# KiCad board PicoDeck.kicad_pcb
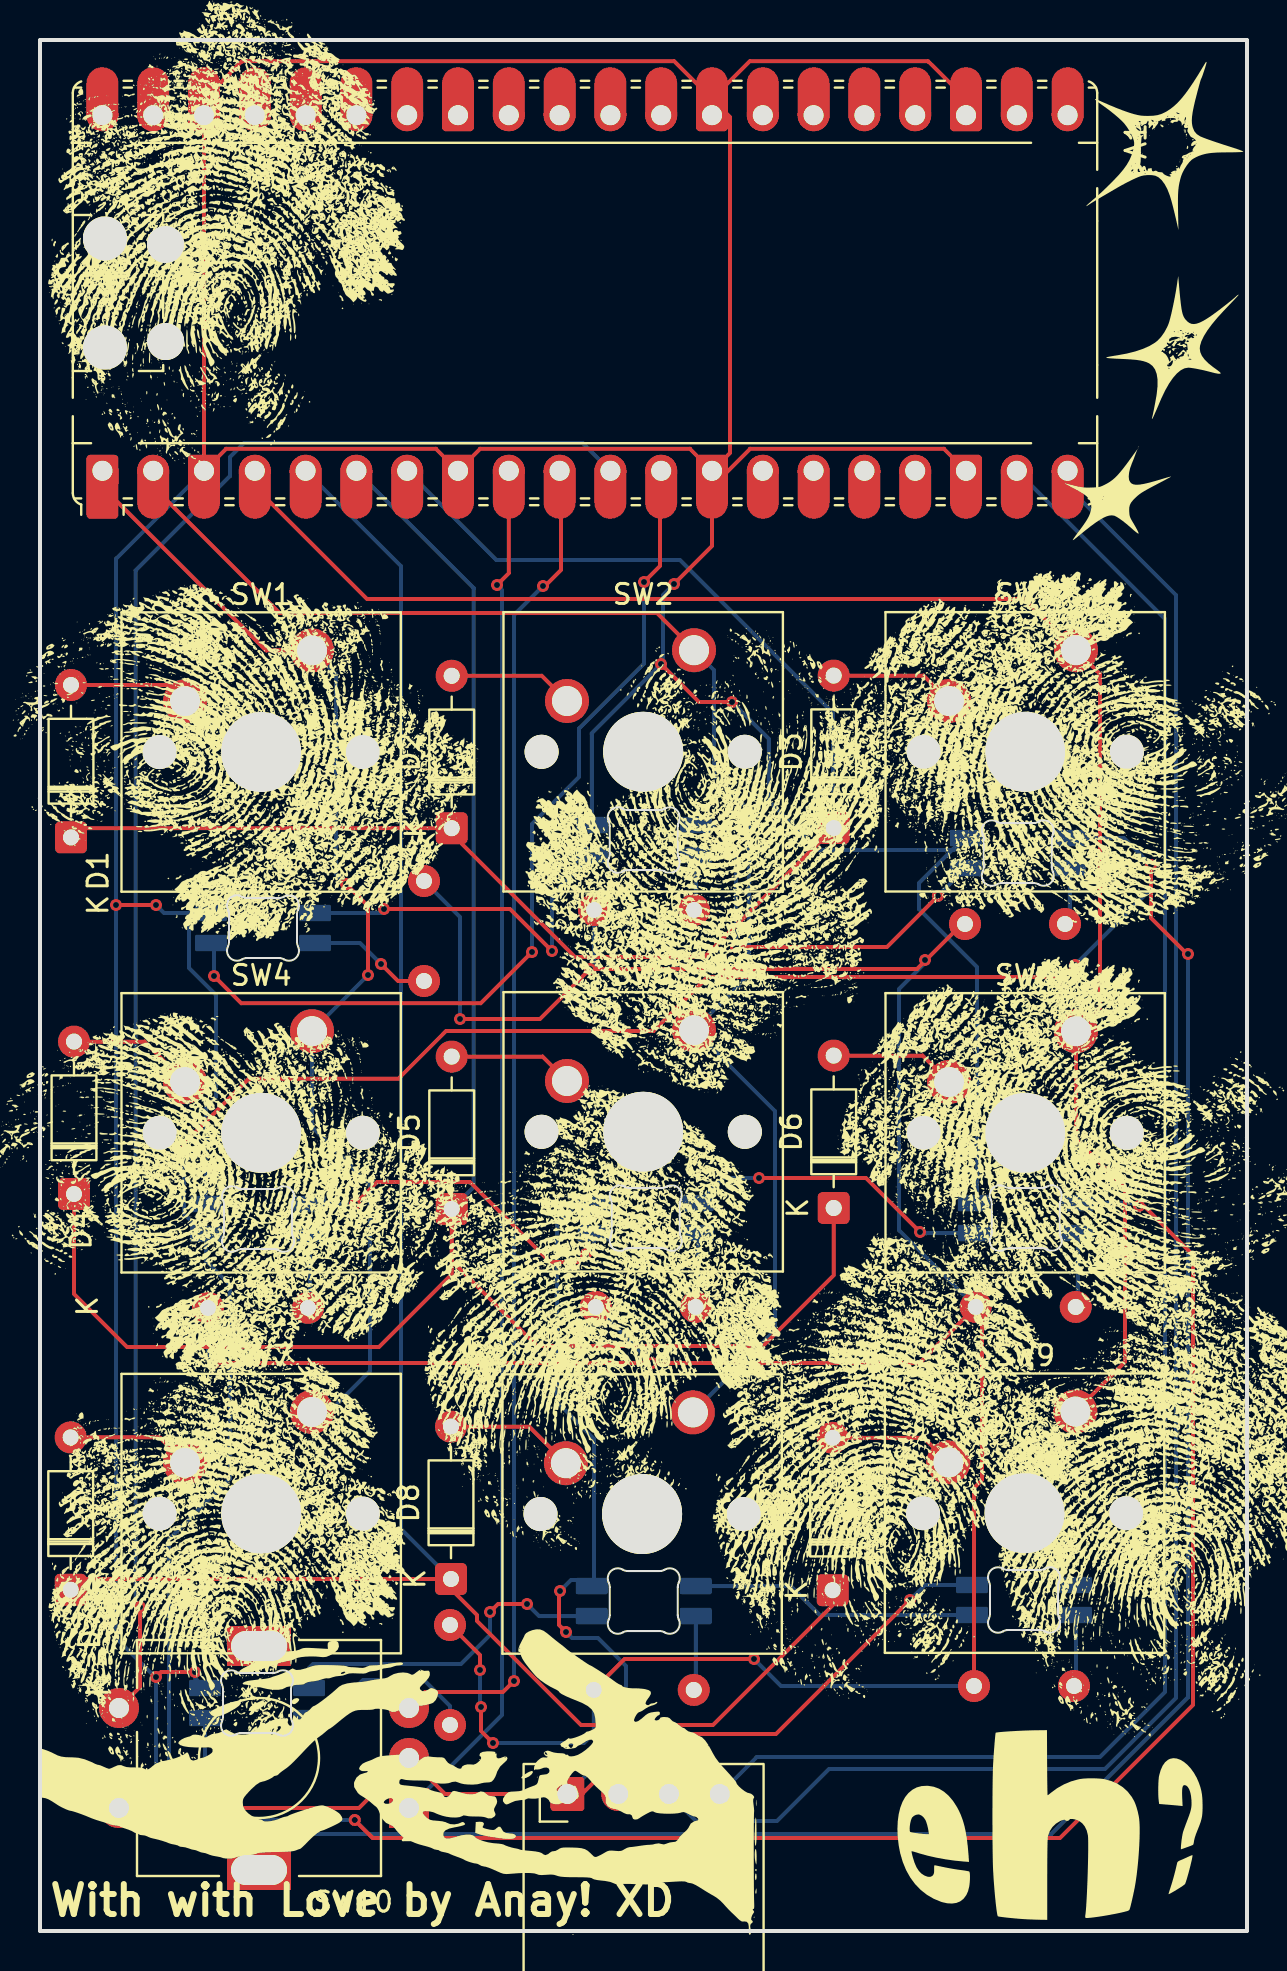
[diagram p0: board, top side]
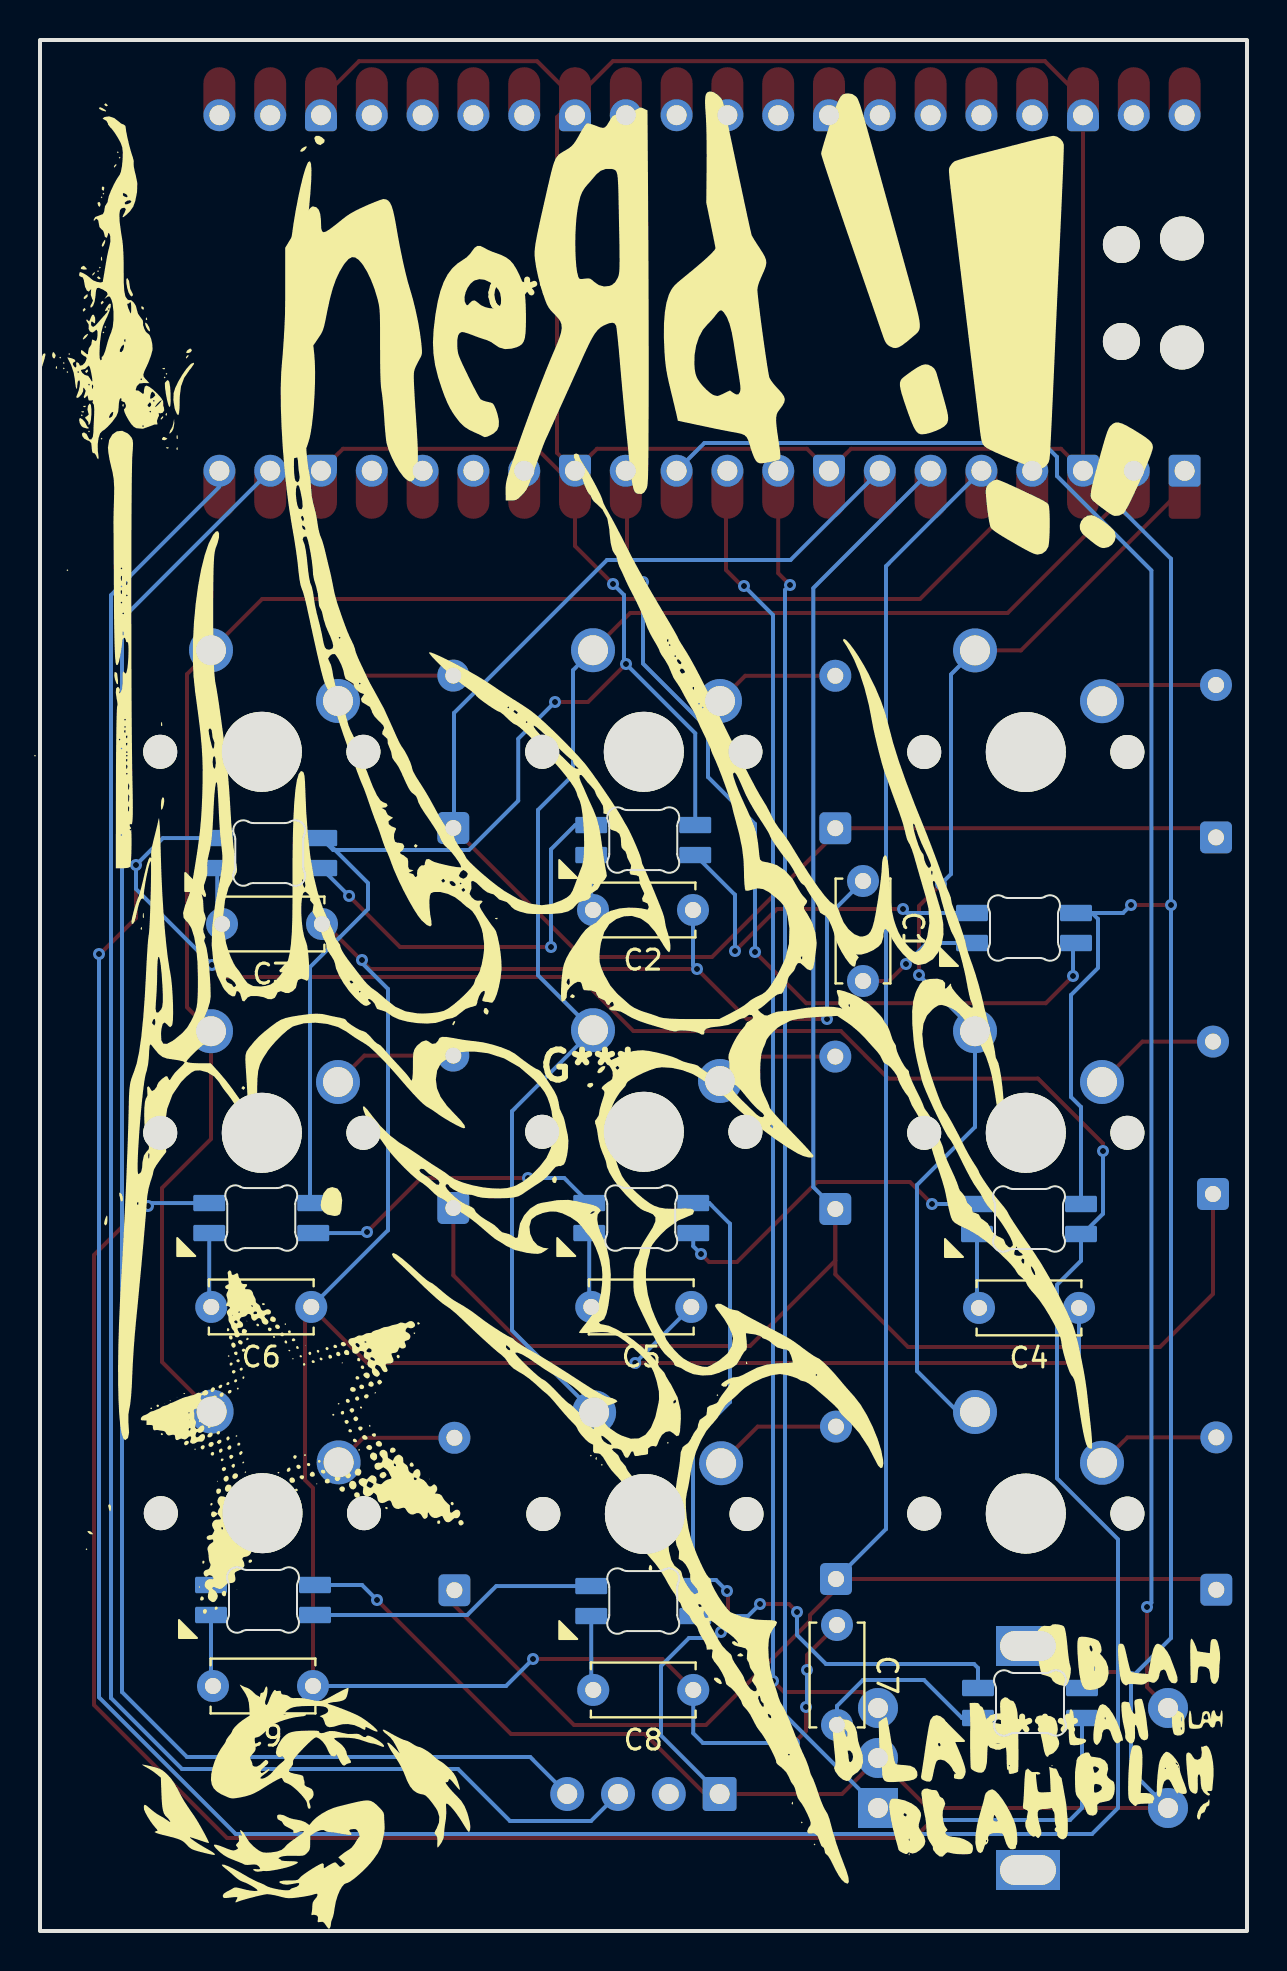
[diagram p1: board, bottom side, seen from below]

Outline 60.35 x 94.55 mm; copper layers: Top, Bottom. Coordinates in mm from the lower left corner of the outline.
Outline path: rectangle 0,94.55 60.35,0

## Placement (name value [footprint] x y rotation side)
A1  RaspberryPi_Pico  [RaspberryPi_Pico_Common_Unspecified]  27.25 81.9 90 top
C1  C_Small  [C_Disc_D5.0mm_W2.5mm_P5.00mm]  19.2 52.5 270 bottom
C2  C_Small  [C_Disc_D5.0mm_W2.5mm_P5.00mm]  27.7 51.05 0 bottom
C3  C_Small  [C_Disc_D5.0mm_W2.5mm_P5.00mm]  46.25 50.35 0 bottom
C4  C_Small  [C_Disc_D5.0mm_W2.5mm_P5.00mm]  8.4 31.15 0 bottom
C5  C_Small  [C_Disc_D5.0mm_W2.5mm_P5.00mm]  27.79 31.2 0 bottom
C6  C_Small  [C_Disc_D5.0mm_W2.5mm_P5.00mm]  46.79 31.2 0 bottom
C7  C_Small  [C_Disc_D5.0mm_W2.5mm_P5.00mm]  20.5 15.3 270 bottom
C8  C_Small  [C_Disc_D5.0mm_W2.5mm_P5.00mm]  27.69 12.05 0 bottom
C9  C_Small  [C_Disc_D5.0mm_W2.5mm_P5.00mm]  46.7 12.25 0 bottom
D1  1N4148  [D_DO-35_SOD27_P7.62mm_Horizontal]  1.55 54.68 90 top
D2  1N4148  [D_DO-35_SOD27_P7.62mm_Horizontal]  20.58 55.14 90 top
D3  1N4148  [D_DO-35_SOD27_P7.62mm_Horizontal]  39.69 55.15 90 top
D4  1N4148  [D_DO-35_SOD27_P7.62mm_Horizontal]  1.7 36.85 90 top
D5  1N4148  [D_DO-35_SOD27_P7.62mm_Horizontal]  20.58 36.1 90 top
D6  1N4148  [D_DO-35_SOD27_P7.62mm_Horizontal]  39.69 36.15 90 top
D7  1N4148  [D_DO-35_SOD27_P7.62mm_Horizontal]  1.53 17.06 90 top
D8  1N4148  [D_DO-35_SOD27_P7.62mm_Horizontal]  20.55 17.6 90 top
D9  1N4148  [D_DO-35_SOD27_P7.62mm_Horizontal]  39.63 17.04 90 top
D10  SK6812MINI-E  [MX_SK6812MINI-E]  11.15 55.23 0 top
D11  SK6812MINI-E  [MX_SK6812MINI-E]  30.19 59.63 0 top
D12  SK6812MINI-E  [MX_SK6812MINI-E]  48.89 58.98 0 top
D13  SK6812MINI-E  [MX_SK6812MINI-E]  10.9 40.68 0 top
D14  SK6812MINI-E  [MX_SK6812MINI-E]  30.29 40.73 0 top
D15  SK6812MINI-E  [MX_SK6812MINI-E]  49.29 40.73 0 top
D16  SK6812MINI-E  [MX_SK6812MINI-E]  10.85 16.48 0 top
D17  SK6812MINI-E  [MX_SK6812MINI-E]  30.19 21.58 0 top
D18  SK6812MINI-E  [MX_SK6812MINI-E]  49.2 21.63 0 top
G***  -  [LOGO]  9.65 58.4 270 top
G***#2  -  [LOGO]  9.35 84.36 0 top
G***#3  -  [LOGO]  51.72 59.11 90 top
G***#4  -  [LOGO]  28.17 30.02 0 top
G***#5  -  [LOGO]  50.39 5.48 0 top
G***#6  -  [LOGO]  55.44 82.07 180 top
G***#7  -  [LOGO]  52.13 39.82 90 top
G***#8  -  [LOGO]  42.58 22.62 0 top
G***#9  -  [LOGO]  56.86 20.7 0 top
G***#10  -  [LOGO]  8.67 36.98 270 top
G***#11  -  [LOGO]  33.17 54.15 180 top
G***#12  -  [LOGO]  9.37 18.17 0 top
G***#13  -  [LOGO]  17.88 9.82 0 top
G***#14  -  [LOGO]  13 79.67 180 bottom
G***#15  -  [LOGO]  32.85 43.25 180 bottom
G***#16  -  [LOGO]  10.85 9.9 180 bottom
G***#17  -  [LOGO]  35.6 81.75 180 bottom
G***#18  -  [LOGO]  47.1 6.25 90 bottom
G***#19  -  [LOGO]  47.6 24.75 180 bottom
G***#20  -  [LOGO]  56.32 72.59 180 bottom
SW1  SW_Push  [SW_Cherry_MX_1.00u_PCB]  13.6 64.03 0 top
SW2  SW_Push  [SW_Cherry_MX_1.00u_PCB]  32.7 64.04 0 top
SW3  SW_Push  [SW_Cherry_MX_1.00u_PCB]  51.8 64.04 0 top
SW4  SW_Push  [SW_Cherry_MX_1.00u_PCB]  13.6 44.99 0 top
SW5  SW_Push  [SW_Cherry_MX_1.00u_PCB]  32.7 45.04 0 top
SW6  SW_Push  [SW_Cherry_MX_1.00u_PCB]  51.8 44.99 0 top
SW7  SW_Push  [SW_Cherry_MX_1.00u_PCB]  13.6 25.95 0 top
SW8  SW_Push  [SW_Cherry_MX_1.00u_PCB]  32.65 25.93 0 top
SW9  SW_Push  [SW_Cherry_MX_1.00u_PCB]  51.77 25.97 0 top
SW10  RotaryEncoder_Switch  [RotaryEncoder_Alps_EC11E-Switch_Vertical_H20mm]  18.45 6.15 180 top
U1  -  [ER_OLEDM0.91_1x-I2C]  26.37 6.85 0 top

## Library data of the parts
A1 = -: Datasheet: https://datasheets.raspberrypi.com/pico/pico-datasheet.pdf; Description: Versatile and inexpensive microcontroller module powered by RP2040 dual-core Arm Cortex-M0+ processor up to 133 MHz, 264kB SRAM, 2MB QSPI flash; also supports Raspberry Pi Pico 2; ki_fp_filters: RaspberryPi?Pico?Common* RaspberryPi?Pico?SMD*
C1-C9 = -: Description: Unpolarized capacitor, small symbol; KiLib_Generator: capacitor/THT/other; ki_fp_filters: C_*
D1-D9 = -: Datasheet: https://assets.nexperia.com/documents/data-sheet/1N4148_1N4448.pdf; Description: 100V 0.15A standard switching diode, DO-35; KiLib_Generator: diode/THT; Sim.Device: D; Sim.Pins: 1=K 2=A; ki_fp_filters: D*DO?35*
D10-D18 = -: Datasheet: https://www.lcsc.com/datasheet/C5149201.pdf; Description: RGB LED with integrated controller; Field4: 1; ki_fp_filters: LED?SK6812MINI?E?3.2x2.8mm?P1.5mm*
SW1-SW9 = -: Description: Push button switch, generic, two pins
SW10 = -: Description: Rotary encoder, dual channel, incremental quadrate outputs, with switch; ki_fp_filters: RotaryEncoder*Switch*
U1 = -: Datasheet: https://www.buydisplay.com/download/manual/ER-OLEDM0.91-1_Datasheet.pdf; Description: SSD1306 OLED module, 0.91 inch, 128x32, I2C; ki_fp_filters: ER?OLEDM0.91?1x?I2C*

## Footprints (pads in the part's own frame, mm; a bottom-side part is the same pattern mirrored in y, then rotated)
C_Disc_D5.0mm_W2.5mm_P5.00mm
  round 1.6 hole 0.8: 1(0,0) 2(5,0)
D_DO-35_SOD27_P7.62mm_Horizontal
  rrect 1.6x1.6 hole 0.8: 1(0,0)
  round 1.6 hole 0.8: 2(7.62,0)
ER_OLEDM0.91_1x-I2C
  rrect 1.7x1.7 hole 1: 1(0,0)
  round 1.7 hole 1: 2(2.54,0) 3(5.08,0) 4(7.62,0)
MX_SK6812MINI-E
  rrect 1.6x0.82 smd far side: 1(-2.6,-4.33) 2(-2.6,-5.83) 3(2.6,-5.83) 4(2.6,-4.33)
RaspberryPi_Pico_Common_Unspecified
  round 2.2 hole 2.2 unplated: (-2.725,24) (2.725,24)
  round 1.85 hole 1.85 unplated: (-2.425,20.97) (2.425,20.97)
  custom 3.2x1.6 smd: 1(-9.69,24.13) 3(-9.69,19.05) 8(-9.69,6.35) 13(-9.69,-6.35) 18(-9.69,-19.05) 23(9.69,-19.05) 28(9.69,-6.35) 33(9.69,6.35) 38(9.69,19.05)
  rrect 1.6x1.6 hole 1: 1(-8.89,24.13)
  rrect 3.2x1.6 smd: 2(-9.69,21.59) 4(-9.69,16.51) 5(-9.69,13.97) 6(-9.69,11.43) 7(-9.69,8.89) 9(-9.69,3.81) 10(-9.69,1.27) 11(-9.69,-1.27) 12(-9.69,-3.81) 14(-9.69,-8.89) 15(-9.69,-11.43) 16(-9.69,-13.97) 17(-9.69,-16.51) 19(-9.69,-21.59) 20(-9.69,-24.13) 21(9.69,-24.13) 22(9.69,-21.59) 24(9.69,-16.51) 25(9.69,-13.97) 26(9.69,-11.43) 27(9.69,-8.89) 29(9.69,-3.81) 30(9.69,-1.27) 31(9.69,1.27) 32(9.69,3.81) 34(9.69,8.89) 35(9.69,11.43) 36(9.69,13.97) 37(9.69,16.51) 39(9.69,21.59) 40(9.69,24.13)
  round 1.6 hole 1: 2(-8.89,21.59) 4(-8.89,16.51) 5(-8.89,13.97) 6(-8.89,11.43) 7(-8.89,8.89) 9(-8.89,3.81) 10(-8.89,1.27) 11(-8.89,-1.27) 12(-8.89,-3.81) 14(-8.89,-8.89) 15(-8.89,-11.43) 16(-8.89,-13.97) 17(-8.89,-16.51) 19(-8.89,-21.59) 20(-8.89,-24.13) 21(8.89,-24.13) 22(8.89,-21.59) 24(8.89,-16.51) 25(8.89,-13.97) 26(8.89,-11.43) 27(8.89,-8.89) 29(8.89,-3.81) 30(8.89,-1.27) 31(8.89,1.27) 32(8.89,3.81) 34(8.89,8.89) 35(8.89,11.43) 36(8.89,13.97) 37(8.89,16.51) 39(8.89,21.59) 40(8.89,24.13)
  custom 1.6x1.6 hole 1: 3(-8.89,19.05) 8(-8.89,6.35) 13(-8.89,-6.35) 18(-8.89,-19.05) 23(8.89,-19.05) 28(8.89,-6.35) 33(8.89,6.35) 38(8.89,19.05)
RotaryEncoder_Alps_EC11E-Switch_Vertical_H20mm
  rect 2x2 hole 1: A(0,0)
  round 2 hole 1: B(0,-5) C(0,-2.5) S1(14.5,-5) S2(14.5,0)
  rect 3.2x2 hole 2.8x1.5: MP(7.5,3.1) MP(7.5,-8.1)
SW_Cherry_MX_1.00u_PCB
  round 1.7 hole 1.7 unplated: (-7.62,-5.08) (2.54,-5.08)
  round 4 hole 4 unplated: (-2.54,-5.08)
  round 2.2 hole 1.5: 1(0,0) 2(-6.35,-2.54)

## Nets
+5V: C1.1 C2.1 C3.1 C4.1 C5.1 C6.1 C7.1 C8.1 C9.1
/3v3: U1.2
GND: A1.3 A1.8 A1.13 A1.18 A1.23 A1.28 A1.38 D10.1 D11.1 D12.1 D13.1 D14.1 D15.1 D16.1 D17.1 D18.1 SW10.C SW10.S2 U1.1
/col0: A1.1 SW1.1 SW4.1 SW7.1
/col1: A1.2 SW2.1 SW5.1 SW8.1
/col2: A1.4 SW3.1 SW6.1 SW9.1
/re0: A1.9 SW10.A
/re1: A1.10 SW10.B
/re2: A1.11 SW10.S1
/row0: A1.5 D7.1 D8.1 D9.1
/row1: A1.6 D4.1 D5.1 D6.1
/row2: A1.7 D1.1 D2.1 D3.1
/scl: A1.20 U1.3
/sda: A1.19 U1.4
Net-(A1-GPIO9): A1.12 D10.2
Net-(D1-A): D1.2 SW1.2
Net-(D2-A): D2.2 SW2.2
Net-(D3-A): D3.2 SW3.2
Net-(D4-A): D4.2 SW4.2
Net-(D5-A): D5.2 SW5.2
Net-(D6-A): D6.2 SW6.2
Net-(D7-A): D7.2 SW7.2
Net-(D8-A): D8.2 SW8.2
Net-(D9-A): D9.2 SW9.2
Net-(D10-DOUT): D10.4 D11.2
Net-(D10-VDD): C1.2 D10.3
Net-(D11-DOUT): D11.4 D12.2
Net-(D11-VDD): C2.2 D11.3
Net-(D12-DOUT): D12.4 D13.2
Net-(D12-VDD): C3.2 D12.3
Net-(D13-DOUT): D13.4 D14.2
Net-(D13-VDD): C4.2 D13.3
Net-(D14-DOUT): D14.4 D15.2
Net-(D14-VDD): C5.2 D14.3
Net-(D15-DOUT): D15.4 D16.2
Net-(D15-VDD): C6.2 D15.3
Net-(D16-DOUT): D16.4 D17.2
Net-(D16-VDD): C7.2 D16.3
Net-(D17-DOUT): D17.4 D18.2
Net-(D17-VDD): C8.2 D17.3
Net-(D18-VDD): C9.2 D18.3

Pads without a net: A1 14 15 16 17 21 22 24 25 26 27 29 30 31 32 33 34 35 36 37 39 40; D18 4; SW10 MP

## Via types
v1: diameter 0.6, hole 0.3, Top to Bottom, 45 vias

## Routing (per net, layer and track width the routed paths; a pad name or vN(x,y) marks a point on that pad's centre or on a via; arc(x,y) is an arc through that point)
+5V: length 157.1
  Top w0.2: v1(22.65,9.4) 22.05,10 v1(22.05,11.2) ; v1(22,13.05) 22,13.8 C7.1 ; v1(8.7,28.4) v1(30.59,28.4) 43.99,28.4 C6.1 47.1,30.89 47.1,22.55 46.7,22.15 C9.1 ; C3.1 46.1,50.35 43.85,48.1 v1(27.5,48.1) 25,45.6 v1(21,45.6) ; v1(35.7,13.6) 29.24,13.6 C8.1
  Bottom w0.2: v1(21,45.6) 21,50.7 C1.1 ; C8.1 27.69,9.89 27.2,9.4 v1(22.65,9.4) ; v1(35.7,13.6) 37.05,12.25 C9.1 ; C4.1 8.4,28.7 v1(8.7,28.4) ; v1(22,13.05) 22,11.25 v1(22.05,11.2) ; C2.1 27.7,48.3 v1(27.5,48.1) ; C6.1 42.95,35.04 42.95,47.1 44.25,48.4 v1(44.25,48.55) ; C5.1 v1(30.59,28.4)
GND: length 362
  Top w0.2: A1.23 44.4,93.49 35.5,93.49 33.6,91.59 ; v1(7.75,12.95) 6.05,12.95 v1(5.8,12.7) ; A1.38 A1.3 9.3,74.11 19.8,74.11 A1.8 22,74.11 32.5,74.11 A1.13 34.5,73.91 34.5,90.69 A1.28 ; v1(31.05,63.35) 32.95,61.45 v1(34.6,61.45) ; 33.6,91.59 31.7,93.5 10.11,93.5 A1.38 ; 33.6,91.59 A1.28 ; v1(31.7,67.35) 33.6,69.25 A1.13 35.5,74.11 45.2,74.11 A1.18 ; v1(26,17) 25.95,16.95 25.95,15.3 v1(26.3,14.95) ; v1(3.8,51.3) v1(5.8,51.3) ; SW10.S2 15.95,6.15 SW10.C 20.25,6.85 U1.1 27.1,6.85 30.1,9.85 36.8,9.85 v1(43.5,16.55) ; 46.3,91.41 A1.23
  Bottom w0.2: D15.1 46.85,36.56 46.85,48.19 43.95,51.09 43.95,52.4 46.2,54.65 D12.1 45.69,54.05 38.9,54.05 36.44,56.51 36.44,59.61 v1(34.6,61.45) ; v1(26.3,14.95) 26.6,14.65 27.9,14.65 29.3,13.25 29.3,9.78 U1.1 ; SW10.S2 5.8,8 5.8,12.65 3.8,14.65 3.8,68.61 A1.3 ; v1(26,17) 26.55,17.55 27.28,17.55 D17.1 27.7,17.36 27.7,24.6 25.85,26.45 25.85,35.36 26.89,36.4 D14.1 ; D16.1 7.75,12.65 v1(7.75,12.95) ; v1(43.5,16.55) 44.25,17.3 D18.1 ; v1(31.7,67.35) 31.15,66.8 31.15,63.45 v1(31.05,63.35) 27.59,59.89 D11.1 ; D13.1 8.3,41.2 8.8,41.7 8.8,46.8 7.45,48.15 7.45,50.6 7.75,50.9 D10.1 6.2,50.9 v1(5.8,51.3)
/col0: length 58
  Top w0.2: A1.1 A1.1 11.3,64.03 SW1.1 ; v1(16.4,47.8) 16.4,51.25 v1(15.3,52.35)
  Bottom w0.2: SW7.1 14.45,25.95 16.5,28 16.5,37.3 13.6,40.2 SW4.1 16.4,47.79 v1(16.4,47.8) ; SW1.1 14.8,62.83 14.8,52.85 v1(15.3,52.35)
/col1: length 74.2
  Top w0.2: A1.2 11.97,65.9 30.84,65.9 SW2.1
  Bottom w0.2: SW2.1 33.7,63.04 33.7,57.8 35.45,56.05 35.45,47.79 SW5.1 36.75,40.99 36.75,30.03 SW8.1
/col2: length 85.5
  Top w0.2: A1.4 16.35,66.6 49.24,66.6 SW3.1 53,62.84 53,46.19 SW6.1 51.8,39.6 54.25,37.15 54.25,28.45 SW9.1
/re0: length 68.3
  Top w0.2: v1(22.85,67.3) 23.44,67.89 A1.9
  Bottom w0.2: SW10.A 23.1,10.8 23.1,67.05 v1(22.85,67.3)
/re1: length 67.1
  Top w0.2: 26.05,72.77 26.05,68.05 25.25,67.25 v1(25.15,67.25) ; SW10.B 19.25,11.95 23.15,11.95 v1(23.7,12.5)
  Bottom w0.2: v1(23.7,12.5) 23.7,65.8 v1(25.15,67.25)
/re2: length 84.9
  Top w0.2: SW10.S1 5,12.2 v1(5,16.2)
  Bottom w0.2: v1(5,16.2) 4.78,16.42 4.78,68.03 9.5,72.75 9.5,73.7 10.2,74.4 27.13,74.4 A1.11
/row0: length 103.5
  Top w0.2: D7.1 2.08,17.6 D8.1 20.55,17.09 21.85,15.8 21.85,15.5 27.05,10.3 33.65,10.3 39.63,16.28 D9.1
  Bottom w0.2: A1.5 18.05,68.24 18.05,20.1 D8.1
/row1: length 97.8
  Top w0.2: D6.1 39.69,32.78 36.15,29.25 24.85,29.25 20.58,33.52 D5.1 20.58,32.84 16.95,29.2 4.35,29.2 1.7,31.85 D4.1
  Bottom w0.2: D5.1 21.69,37.2 21.69,67.15 A1.6
/row2: length 76.4
  Top w0.2: 21.05,55.15 20.59,55.15 D2.1 ; D2.1 2.01,55.14 D1.1 ; D2.1 20.58,54.87 26.75,48.7 33.24,48.7 D3.1
  Bottom w0.2: A1.7 22.82,68.55 32,68.55 39.65,60.9 39.65,55.19 D3.1
/scl: length 91.3
  Bottom w0.2: A1.20 56.8,66.79 56.8,11.65 53.25,8.1 39.45,8.1 36.85,5.5 32.8,5.5 U1.3
/sda: length 89.4
  Top w0.2: A1.19 48.84,72.11
  Bottom w0.2: A1.19 56.25,65.6 56.25,11.95 53,8.7 35.84,8.7 U1.4
Net-(A1-GPIO9): length 45.9
  Top w0.2: v1(30.2,67.45) 31,68.25 31,72.97 ; v1(8.7,47.75) 10.06,46.39 22.04,46.39 v1(24.6,48.95)
  Bottom w0.2: D10.2 8.7,49.25 v1(8.7,47.75) ; v1(24.6,48.95) 24.6,55.35 26.95,57.7 26.95,60.12 30.2,63.37 v1(30.2,67.45)
Net-(D1-A): length 6
  Top w0.2: SW1.2 6.44,62.3 D1.2
Net-(D2-A): length 6.3
  Top w0.2: D2.2 25.09,62.76 SW2.2
Net-(D3-A): length 6.3
  Top w0.2: D3.2 44.18,62.77 SW3.2
Net-(D4-A): length 6.4
  Top w0.2: D4.2 5.23,44.47 SW4.2
Net-(D5-A): length 6.3
  Top w0.2: D5.2 25.13,43.72 SW5.2
Net-(D6-A): length 6.3
  Top w0.2: SW6.2 44.13,43.77 D6.2
Net-(D7-A): length 6.2
  Top w0.2: D7.2 5.98,24.68 SW7.2
Net-(D8-A): length 6.5
  Top w0.2: D8.2 24.47,25.22 26.3,23.39
Net-(D9-A): length 6.3
  Top w0.2: D9.2 44.19,24.66 SW9.2
Net-(D10-DOUT): length 18.4
  Top w0.2: v1(17.2,51.1) 23.5,51.1 v1(25.6,49)
  Bottom w0.2: D10.4 17,50.9 v1(17.2,51.1) ; D11.2 25.6,51.81 v1(25.6,49)
Net-(D10-VDD): length 6.2
  Top w0.2: C1.2 17.9,47.5 v1(17.05,48.35)
  Bottom w0.2: D10.3 16,49.4 v1(17.05,48.35)
Net-(D11-DOUT): length 20.5
  Top w0.2: v1(34.8,49.2) 42.35,49.2 44.9,51.75 v1(44.9,51.76)
  Bottom w0.2: D11.4 33.59,55.3 34.8,54.09 v1(34.8,49.2) ; v1(44.9,51.76) D12.2
Net-(D11-VDD): length 2.8
  Bottom w0.2: D11.3 32.79,51.14 C2.2
Net-(D12-DOUT): length 191.6
  Top w0.2: v1(7.2,39) 7.2,39.37 10.45,42.62 17.93,42.62 20.31,45 30.68,45 33.38,47.7 51.15,47.7 v1(51.75,48.3) ; v1(55.55,53.3) 55.55,50.65 57.35,48.85
  Bottom w0.2: D12.4 54.2,54.65 v1(55.55,53.3) 55.55,52.1 v1(51.75,48.3) ; v1(7.2,39) 7.2,35.86 8.21,34.85 D13.2 8.3,33.51 9.5,32.31 9.5,22.63 6.45,19.58 6.45,6.15 7.75,4.85 50.57,4.85 57.4,11.68 v1(57.4,48.85)
Net-(D12-VDD): length 2.9
  Bottom w0.2: C3.2 51.49,50.59 D12.3
Net-(D13-DOUT): length 17.5
  Top w0.2: v1(15.75,36.35) 16.85,37.45 21.5,37.45 25.5,33.45 26.9,33.45 v1(27.3,33.85)
  Bottom w0.2: v1(27.3,33.85) 27.69,34.24 D14.2 27.85,34.73 ; D13.4 v1(15.75,36.35)
Net-(D13-VDD): length 3.7
  Bottom w0.2: D13.3 13.5,31.25 C4.2
Net-(D14-DOUT): length 15.4
  Top w0.2: v1(44,34.95) 41.3,37.65 v1(35.95,37.65)
  Bottom w0.2: v1(44,34.95) 44.05,34.9 D15.2 ; 35.9,37.65 34.14,37.65 D14.4
Net-(D14-VDD): length 3.7
  Bottom w0.2: D14.3 32.89,31.3 C5.2
Net-(D15-DOUT): length 86.6
  Top w0.2: v1(15.74,5.55) 16.64,4.65 51,4.65 57.65,11.3 57.65,33.8 55.2,36.25 v1(54.95,36.25)
  Bottom w0.2: v1(54.95,36.25) 54.8,36.4 D15.4 ; v1(15.74,5.55) 8.85,5.55 8.25,6.15 D16.2
Net-(D15-VDD): length 3.7
  Bottom w0.2: D15.3 51.89,31.3 C6.2
Net-(D16-DOUT): length 17.5
  Top w0.2: v1(22.5,15.95) 22.9,16.35 v1(24.35,16.35)
  Bottom w0.2: D17.2 24.95,15.75 v1(24.35,16.35) ; 22.4,15.85 v1(22.5,15.95) 22.5,14.8 21.05,13.35 13.65,13.35 13.45,13.15 D16.4
Net-(D16-VDD): length 9.3
  Bottom w0.2: D16.3 14.25,10.65 16.15,12.55 19.2,12.55 20.5,11.25 C7.2
Net-(D17-DOUT): length 14.4
  Bottom w0.2: D18.2 38.99,15.8 37.54,17.25 D17.4
Net-(D17-VDD): length 3.7
  Bottom w0.2: D17.3 32.79,12.15 C8.2
Net-(D18-VDD): length 3.6
  Bottom w0.2: C9.2 51.8,12.35 D18.3

## Text on the board
F.Silkscreen: With with Love by Anay! XD
